# Altium PCB 驱动电路1-0.PcbDoc
Units mil, origin at the board's own origin, x right, y up, seen from the top; angles counter-clockwise.
Board outline 4485 x 2050.55 mil, 2 copper layers (Top Layer, Bottom Layer); 49 components, 38 nets, 139 pads, 88 vias.
Unrouted connection lines stored in the file: 12.
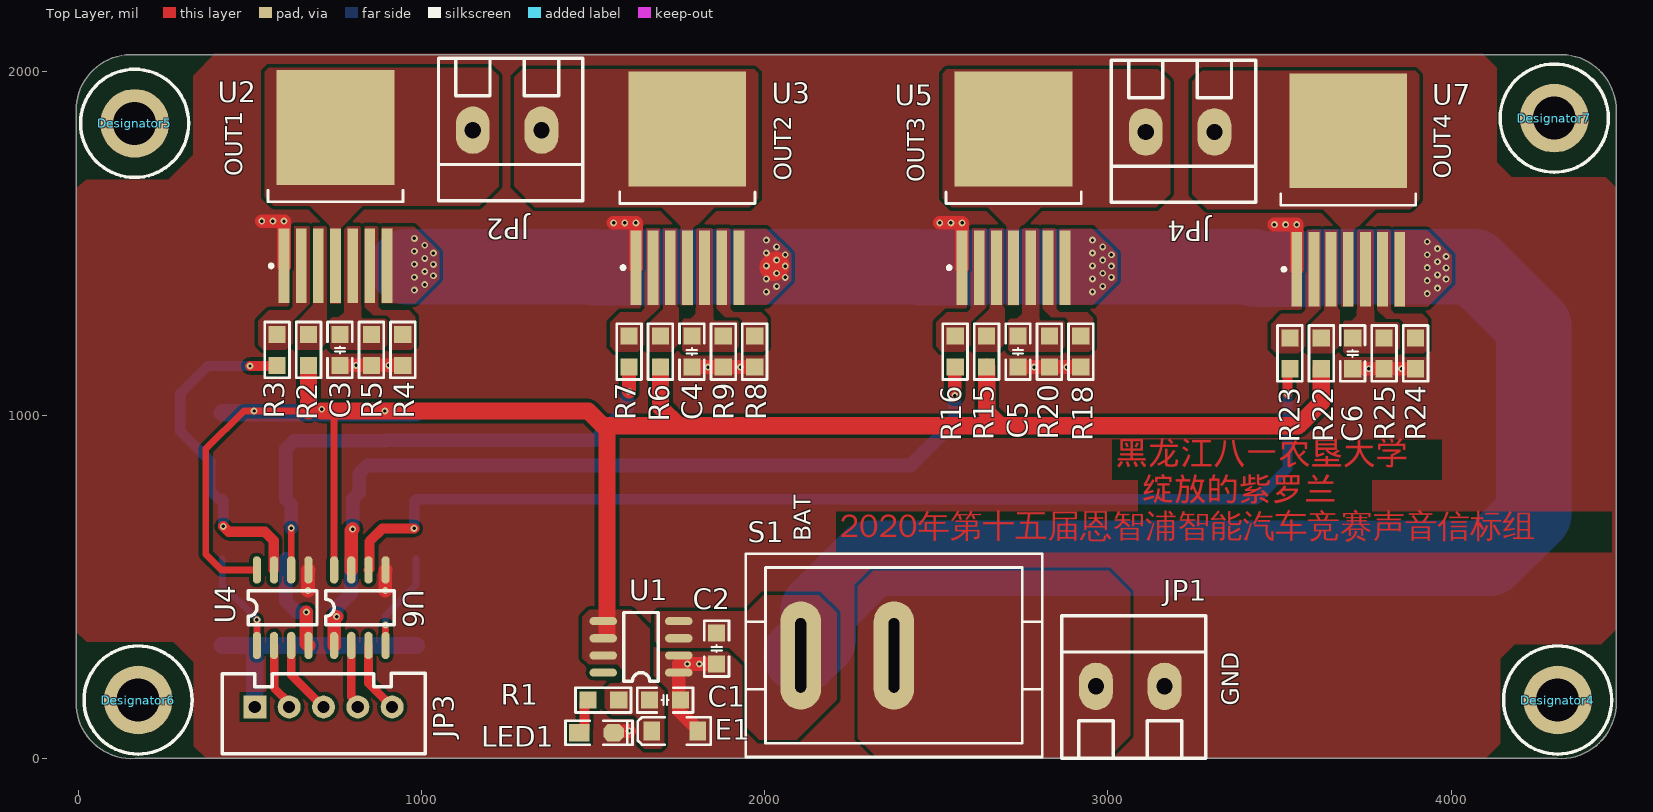
[diagram p0: Top Layer view]
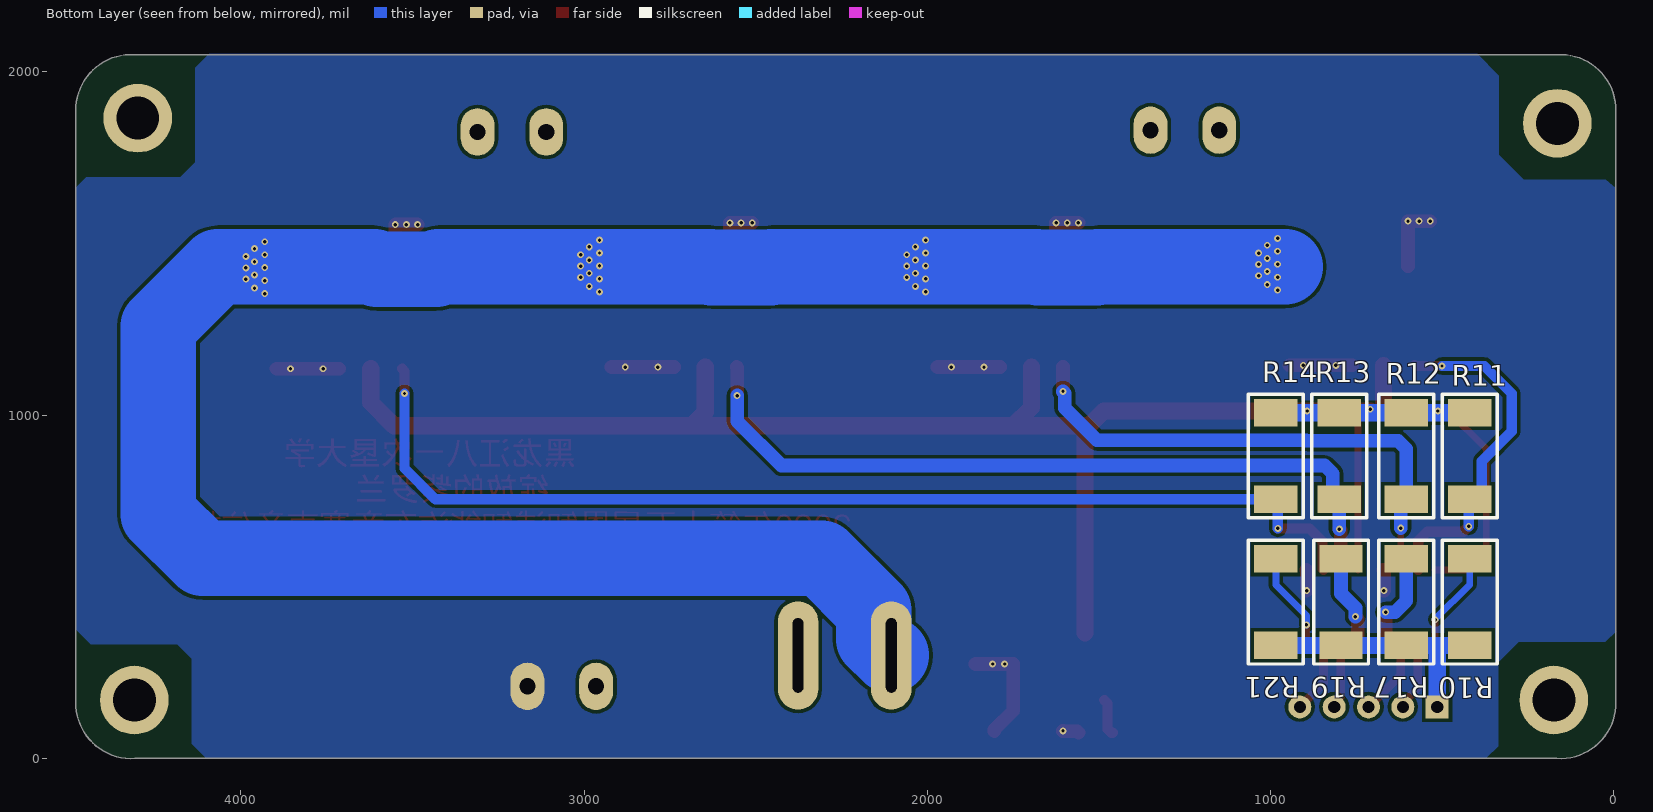
[diagram p1: Bottom Layer view, seen from below]

## Layer stack, top to bottom
Top Solder: solder mask 0.4, Solder Resist, Dk 3.5
Top Layer: signal copper 1.4
Dielectric 1: dielectric 12.6, FR-4, Dk 4.8
Bottom Layer: signal copper 1.4
Bottom Solder: solder mask 0.4, Solder Resist, Dk 3.5

## Board outline
-5,151 -5,1899 cw(c156,1889) 166,2050 4309,2050 cw(c4319,1889) 4480,1899 4480,151 cw(c4319,161) 4309,0 166,0 cw(c156,161)

## Design rules (kind name [scope] priority, off if disabled: settings)
Clearance [All] p1: gap=10 ignorepadtopadclearanceinfootprint=FALSE except(0: Arc-Hole Track-Hole SMDPad-Hole THPad-Hole Via-Hole Fill-Hole Poly-Hole Region-Hole Text-Hole)
PlaneConnect [All] p1: pad.planeconnectstyle=Direct pad.reliefexpansion=20 pad.reliefentries=4 pad.reliefconductorwidth=10 pad.reliefairgap=10 via.planeconnectstyle=Relief via.reliefexpansion=20 via.reliefentries=4 via.reliefconductorwidth=10 via.reliefairgap=10
PolygonConnect [All] p1: connectstyle=Direct reliefconductorwidth=10 reliefentries=4 polygonreliefangle="90 Angle" airgapwidth=10
RoutingVias [All] p1: holewidth=28 width=50 viastyle="Through Hole" minholewidth=28 minwidth=50 maxholewidth=28 maxwidth=50
SolderMaskExpansion [All] p1: expansion=4 istentingtop=FALSE
Width [All] p1: maxlimit=220 minlimit=20 preferedwidth=20
29 further rules are at their usual default settings.

## Classes and differential pairs
component class "Room Definition 4": C6 R22 R23 R24 R25 U7
component class "Room Definition 3": C5 R15 R16 R18 R20 U5
component class "Room Definition 2": C4 R6 R7 R8 R9 U3
component class "Room Definition 1": C3 R2 R3 R4 R5 U2
component class 驱动电路: C1 C2 C3 C4 C5 C6 E1 JP1 JP2 JP3 JP4 LED1 R1 R2 R3 R4 R5 R6 R7 R8 R9 R10 R11 R12 R13 R14 R15 R16 R17 R18 R19 R20 R21 R22 R23 R24 R25 S1 U1 U2 U3 U4 U5 U6 U7

## Components (designator, comment, footprint, x,y, rotation, side; value= is the part's Value field where it differs from the comment)
C1 "104" "C 0805_M" 1710,170 r180 top
C2 "104" "C 0805_M" 1860,320 r90 top
C3 "104" "C 0805_M" 763,1190 r270 top
C4 "104" "C 0805_M" 1788,1185 r270 top
C5 "104" "C 0805_M" 2738,1185 r270 top
C6 "104" "C 0805_M" 3713,1180 r270 top
Designator4 "Comment" M3x10_L 4310,170 r0 top
Designator5 "Comment" M3x10_L 165,1850 r0 top
Designator6 "Comment" M3x10_L 175,170 r0 top
Designator7 "Comment" M3x10_L 4300,1865 r0 top
E1 "10uF/6.3V" "CD A(3216)" 1738.07,80 r0 top
JP1 "HDR-1X2" KF128-5.08-2P 3065,210 r180 top
JP2 "HDR-1X2" KF128-5.08-2P 1250,1830 r180 top
JP3 "HDR-1X5" XH2.54-LI-5P 715,150 r0 top
JP4 "HDR-1X2" KF128-5.08-2P 3210,1825 r180 top
LED1 "红色" "LED 0805R" 1510,75 r0 top
R1 "5K" "R 0805-HP_M" 1530,170 r180 top
R2 "3.3K" "R 0805-HP_M" 671.5,1190 r90 top
R3 "1K" "R 0805-HP_M" 580,1190 r90 top
R4 "3.3K" "R 0805-HP_M" 946,1190 r90 top
R5 "3.3K" "R 0805-HP_M" 854.5,1190 r90 top
R6 "3.3K" "R 0805-HP_M" 1696.5,1185 r90 top
R7 "1K" "R 0805-HP_M" 1605,1185 r90 top
R8 "3.3K" "R 0805-HP_M" 1971,1185 r90 top
R9 "3.3K" "R 0805-HP_M" 1879.5,1185 r90 top
R10 "390" "R 2512_M" 420,455 r270 bottom
R11 "390" "R 2512_M" 420.01,880.98 r90 bottom
R12 "390" "R 2512_M" 605.01,880.98 r90 bottom
R13 "390" "R 2512_M" 800.01,880.98 r90 bottom
R14 "390" "R 2512_M" 985.01,880.98 r90 bottom
R15 "3.3K" "R 0805-HP_M" 2646.5,1185 r90 top
R16 "1K" "R 0805-HP_M" 2555,1185 r90 top
R17 "390" "R 2512_M" 605,455 r270 bottom
R18 "3.3K" "R 0805-HP_M" 2921,1185 r90 top
R19 "390" "R 2512_M" 795,455 r270 bottom
R20 "3.3K" "R 0805-HP_M" 2829.5,1185 r90 top
R21 "390" "R 2512_M" 985,455 r270 bottom
R22 "3.3K" "R 0805-HP_M" 3621.5,1180 r90 top
R23 "1K" "R 0805-HP_M" 3530,1180 r90 top
R24 "3.3K" "R 0805-HP_M" 3896,1180 r90 top
R25 "3.3K" "R 0805-HP_M" 3804.5,1180 r90 top
S1 "KCD1-101" KCD1-101 2376.65,300 r180 top
U1 "TPS7350" SOP8 1749,249 r180 top
U2 "BTN7971" DPAK127P1615X127-8N 750,1665 r90 top
U3 "BTN7971" DPAK127P1615X127-8N 1775,1660 r90 top
U4 "HCPL2630" SOP8 520,330 r90 top
U5 "BTN7971" DPAK127P1615X127-8N 2725,1660 r90 top
U6 "HCPL2630" SOP8 745,330 r90 top
U7 "BTN7971" DPAK127P1615X127-8N 3700,1655 r90 top

## Footprints (in the part's own frame and the unit in brackets; to place one, negate y for a bottom-side part, rotate by r counter-clockwise, add the part's x,y. Pads: shape width x height; smd on the part's side, far side on the other; paste and mask are expansions set on the pad)
"C 0805_M" [mil] "无极性贴片电容"
  rect 50x50 smd: 1(-45,0) 2(45,0)
  silkscreen extent -81,-36 81,36, body extent -39,-24 39,24, height 20
"CD A(3216)" [mm] "长3.2mm，宽1.6mm，厚1.6mm"
  rect 1.2x1.4 smd: 1(-1.7,0) 2(1.7,0)
  silkscreen extent -2.74,-1.02 2.67,1.02, body extent -1.6,-0.8 1.6,0.8, height 1.6
DPAK127P1615X127-8N [mm] "TO, 8-Pads, Body 7.23x8.36mm (max), IPC Medium Density"
  rect 5.5x0.8 smd: 1(-5.85,3.81) 2(-5.85,2.54) 3(-5.85,1.27) 4(-5.85,0) 5(-5.85,-1.27) 6(-5.85,-2.54) 7(-5.85,-3.81)
  rect 8.5x8.7 smd: 8(4.4,0)
  silkscreen extent -5.97,-5 -0.25,5, body extent -1.1,-5 7.15,5, height 1.27
KCD1-101 [mm] "船型开关立式"
  oval 3x8 hole 0.8 slot 5.5 at 90 deg: 1(0,0) 2(6.9,0)
  silkscreen extent -10.97,-7.52 10.97,7.52, body extent -10.95,-7.5 10.95,7.5, height 20.3
KF128-5.08-2P [mm] "螺钉式接线端子，脚距5.08mm"
  oval 2.5x3.5 hole 1.2: 1(-2.54,0) 2(2.54,0)
  silkscreen extent -5.59,-5.21 5.08,5.31, body extent -5.58,-5.3 5.08,5.2, height 14.15
"LED 0805R" [mil] "红色0805LED"
  rect 60x50 smd: 1(-50,0)
  oct 60x50 smd: 2(50,0)
  silkscreen extent -90,-35 105,35, body extent -39,-25 39,25, height 32
M3x10_L [mil] "M3铜柱，长：10mm"
  round 200 hole 125: 1(0,0)
  silkscreen extent -157,-157 157,157, body extent -106,-93 106,93, height 396
"R 0805-HP_M" [mil] "1/8W高精度贴片电阻"
  rect 50x50 smd: 1(-45,0) 2(45,0)
  silkscreen extent -81,-36 81,36, body extent -39,-25 39,25, height 20
"R 2512_M" [mm] "1W贴片电阻"
  rect 2.032x3.2 smd: 1(-3.2,0) 2(3.2,0)
  silkscreen extent -4.57,-2.03 4.57,2.03, body extent -3.2,-1.6 3.2,1.6, height 0.55
SOP8 [mil] "（蒜米工坊）"
  oval 80x24 smd: 1(-1,-1) 2(-1,-51) 3(-1,-101) 4(-1,-151) 5(219,-151) 6(219,-101) 7(219,-51) 8(219,-1)
  silkscreen extent 59,-176 159,24, body extent -4,-174 234,24, height 63
XH2.54-LI-5P [mm] "接插件，5P"
  rect 1.7x1.7 hole 0.9: 1(-5.08,0)
  round 1.7 hole 0.9: 2(-2.54,0) 3(0,0) 4(2.54,0) 5(5.08,0)
  silkscreen extent -7.48,-3.45 7.52,2.49, body extent -7.58,-3.3 7.58,2.4, height 7.03

## Part data
C1 C2 C3 C4 C5 C6: library part C, "无极性贴片电容"
E1: library part C-CD, "贴片钽电容"
JP1 JP2 JP4: library part "Header 2", "2P接插件"
JP3: library part "Header 5", "5P接插件", BOM名称=5P, 学习资源=www.oooc
LED1: library part LED-SMD, "贴片LED", BOM名称=?, 学习资源=www.oooc
R1 R2 R3 R4 R5 R6 R7 R8 R9 R15 R16 R18 R20 R22 R23 R24 R25: library part R-Precision, "精密贴片电阻"
R10 R11 R12 R13 R14 R17 R19 R21: library part R, "贴片电阻"
S1: "1路单刀船型开关"
U1: "稳压"

## Via types
v1: diameter 20, hole 10, Top Layer to Bottom Layer, tented both sides, 88 vias

## Nets (pads, with @x,y where several pads share a name; then routed paths per layer and width w, separated by ;. In a path a pad name is that pad's centre, name@x,y a point inside that pad or via, vN(x,y) a via of type N, cw(c..) or ccw(c..) an arc to the next point about the centre after c; other vN are vias at no path point)
+3.3: JP3.1 R10.2 R17.2 R19.2 R21.2 | length 745.7
  Bottom Layer w50: R10.2 511,329.02 ; JP3.1 515,325.02 511,329.02 ; R21.2 R19.2 R17.2 511,329.02
+5: C1.2 E1.1 R1.1 R2.1 R6.1 R11.2 R12.2 R13.2 R14.2 R15.1 R22.1 U1.5 U1.6 U1.7 U4.8 U6.8 | length 6068.4
  Top Layer w20: U4.8 418,549 372,595 372,901 483,1012 671.5,1012 v1@710,1012 ; U6.8 746,1003 755,1012
  Top Layer w50: 671.5,1012 R2.1 ; v1@710,1012 755,1012 v1(894,1012) 1486,1012 1529,969 ; 1541,365 1541,957 1529,969 ; R6.1 1696.5,1022.5 1750,969 ; R15.1 2647,1139.5 2647,1009 2687,969 ; R22.1 3621.5,1036.5 3554,969 2687,969 ; 1529,969 1750,969 ; 1750,969 2687,969
  Bottom Layer w50: R11.2 R12.2 R13.2 R14.2
  other v1: 513,1012 710,1017
BAT: C2.2 S1.2 U1.3 U1.4 U2.7 U3.7 U5.7 U7.7 | length 6275
  Top Layer w80: 2025,1431 2027,1431 2033,1437
  Bottom Layer w220: 958,1432 1504.15,1432 1506.15,1430 1678.85,1430 1680.85,1432 2454.15,1432 2456.15,1430 2628.85,1430 2630.85,1432 3424.15,1432 3431.15,1425 3603.85,1425 3610.85,1432 4067.13,1432 4240,1259.13 4240,711.87 4111.13,583 2308.01,583 2155.94,430.94 2155.94,347.48 2108.46,300 S1.2
  other v1: 3930,1354 2005,1359 2955,1359 980,1364 3960,1370 2035,1375 2985,1375 1010,1380 3930,1391.75 3985,1396 2005,1396.75 2955,1396.75 2060,1401 3010,1401 980,1401.75 1035,1406 3960,1408.33 2035,1413.33 2985,1413.33 1010,1418.33 3930,1429.5 3985,1429 2060,1434 3010,1434 2005,1434.5 2955,1434.5 980,1439.5 1035,1439 3960,1446.67 2035,1451.67 2985,1451.67 1010,1456.67 3985,1462 2060,1467 3010,1467 3930,1467.25 1035,1472 2005,1472.25 2955,1472.25 980,1477.25 3960,1485 2035,1490 2985,1490 1010,1495 3930,1505 2005,1510 2955,1510 980,1515
GND: C1.1 C2.1 C3.2 C4.2 C5.2 C6.2 E1.2 JP1.1 LED1.2 R4.1 R5.1 R8.1 R9.1 R18.1 R20.1 R24.1 R25.1 U1.1 U1.2 U2.1 U3.1 U4.5 U5.1 U6.5 U7.1 | length 2008.9
  Top Layer w40: v1(535,1565) v1(600,1565) U2.1 ; v1(670,489) 670,548 U4.5 ; C3.2 R5.1 R4.1 ; v1(895,489) 895,548 U6.5 ; LED1.2 1564.22,79.22 1604.22,79.22 v1(1605,80) ; v1(1560,1560) v1(1625,1560) U3.1 ; C4.2 R9.1 R8.1 ; E1.2 1805,83.94 1750,138.94 U1.1 1750,275 C2.1 ; v1(2510,1560) v1(2575,1560) U5.1 ; C5.2 R20.1 R18.1 ; v1(3485,1555) v1(3550,1555) U7.1 ; C6.2 R25.1 R24.1
  other v1: 1775,275 1810,275 3760,1135 3855,1135 1835,1140 1930,1140 2785,1140 2880,1140 810,1145 905,1145 3517.5,1555 1592.5,1560 2542.5,1560 567.5,1565
NetC3_1: C3.1 R5.2 U2.5
NetC4_1: C4.1 R9.2 U3.5
NetC5_1: C5.1 R20.2 U5.5
NetC6_1: C6.1 R25.2 U7.5
NetJP1_2: JP1.2 S1.1
NetLED1_1: LED1.1 R1.2 | length 108.3
  Top Layer w30: LED1.1 1465,75 1475,85 1475,160 R1.2
NetR2_2: R2.2 U2.3
NetR3_2: R3.2 U2.2
NetR4_2: R4.2 U2.6
NetR6_2: R6.2 U3.3
NetR7_2: R7.2 U3.2
NetR8_2: R8.2 U3.6
NetR10_1: R10.1 U4.1 | length 293.8
  Top Layer w20: U4.1 v1(521,404)
  Bottom Layer w20: R10.1 419.99,507.01 521,406 v1(521,404)
NetR15_2: R15.2 U5.3
NetR16_2: R16.2 U5.2
NetR17_1: R17.1 U4.4 | length 295.1
  Top Layer w40: v1(665,426) 665,335 U4.4
  Bottom Layer w40: R17.1 604.99,459.01 638,426 v1(665,426)
NetR18_2: R18.2 U5.6
NetR19_1: R19.1 U6.1 | length 272.3
  Top Layer w40: U6.1 746,406 v1(753,413)
  Bottom Layer w40: v1(753,413) 753,438 794.99,479.99 R19.1
NetR21_1: R21.1 U6.4 | length 288.8
  Top Layer w20: U6.4 v1@896,388
  Bottom Layer w20: v1@896,388 896,416 984.99,504.99 R21.1
  other v1: 896,389
NetR22_2: R22.2 U7.3
NetR23_2: R23.2 U7.2
NetR24_2: R24.2 U7.6
OUT1: JP2.2 U2.4 U2.8
OUT2: JP2.1 U3.4 U3.8
OUT3: JP4.2 U5.4 U5.8
OUT4: JP4.1 U7.4 U7.8
P1: R3.1 R11.1 U4.7 | length 1010.4
  Top Layer w30: v1(423,676) 439,660 544,660 570,634 570,550 U4.7 ; v1(501,1143) 578,1143 R3.1
  Bottom Layer w30: v1(423,676) 423,752.01 R11.1 410,755 385,780 385,866 298,953 298,1063 378,1143 v1(501,1143)
P2: R7.1 R12.1 U4.6 | length 1526.1
  Top Layer w20: v1@620,672 v1(621,671) U4.6
  Top Layer w40: v1(1605,1069) R7.1
  Bottom Layer w40: v1(621,671) 621,739.01 R12.1 605.01,901.57 628.44,925 894,925 896,927 1506,927 1600,1021 1600,1064 v1(1605,1069)
P3: R13.1 R16.1 U6.7 | length 2246.6
  Top Layer w40: U6.7 796,664 v1(800,668) ; v1(2554,1057) 2554,1139 R16.1
  Bottom Layer w40: v1(800,668) R13.1 819,773.99 819,829.57 842.43,853 2425,853 2554,982 v1(2554,1057)
P4: R14.1 R23.1 U6.6 | length 3185.6
  Top Layer w30: U6.6 849,552 849,632 887,670 v1(979,670) ; v1(3523,1063) 3523,1128 R23.1
  Bottom Layer w30: v1(979,670) 979,748.99 R14.1 3433,755 3523,845 v1(3523,1063)
PWM1: JP3.2 U4.2 | length 197.2
  Top Layer w25: U4.2 571,205.35 615,161.35 JP3.2
PWM2: JP3.3 U4.3 | length 218.5
  Top Layer w25: U4.3 621,243 714,150 JP3.3
PWM3: JP3.4 U6.2 | length 186.9
  Top Layer w25: U6.2 796,180.35 815,161.35 JP3.4
PWM4: JP3.5 U6.3 | length 207.6
  Top Layer w25: U6.3 846,219 JP3.5
pads on no net: Designator4.1 Designator5.1 Designator6.1 Designator7.1 U1.8

## Polygon pours and split planes (outlines as drawn)
GND on Top Layer "Top Layer-GND" (solid, remove dead copper, pour order 80): -5,1546 -4,1547 -4,1662 24,1686 263,1686 336,1759 335,1760 335,1989 398,2052 4092,2052 4132,2012 4132,1737 4176,1693 4450,1693 4480,1663 4480,376 4437,333 4185,333 4143,291 4143,43 4100,0 373,0 337,36 337,280 277,340 25,340 -6,371 -5,372
NetR4_2 on Top Layer "Top Layer-NetR4_2" (solid, remove dead copper, pour order 14): 835,1550 870,1550 875,1545 875,1315 885,1305 965.01,1305 980.01,1290 982,1287 982,1201.41 970.59,1190 915,1190 910,1195 910,1280 900,1290 860,1290 835,1315
BAT on Top Layer "Top Layer-BAT" (solid, remove dead copper, pour order 78): 3834,1538 3930,1538 4002,1466 4002,1386 3932,1316 3833,1316 3833,1537
BAT on Top Layer "Top Layer-BAT 1" (solid, remove dead copper, pour order 76): 2859,1543 2955,1543 3027,1471 3027,1391 2957,1321 2858,1321 2858,1542
BAT on Top Layer "Top Layer-BAT 2" (solid, remove dead copper, pour order 74): 1909,1543 2005,1543 2077,1471 2077,1391 2007,1321 1908,1321 1908,1542
no net on Top Layer "Top Layer-No Net" (solid, remove dead copper, pour order 72): 2104,356
BAT on Top Layer "Top Layer-BAT 3" (solid, remove dead copper, pour order 70): 884,1548 980,1548 1052,1476 1052,1396 982,1326 883,1326 883,1547
+5 on Top Layer "Top Layer-+5" (solid, remove dead copper, pour order 66): 1489,433 1611,433 1666,378 1666,237 1707,196 1707,38 1697,28 1650,28 1635,43 1635,111 1620,126 1556,126 1534,148 1534,202 1551,219 1553,219 1578,219 1588,229 1587,230 1587,257 1570,274 1487,274 1469,292 1469,413
BAT on Top Layer "Top Layer-BAT 4" (solid, remove dead copper, pour order 64): 1949,429 1996,476 2158,476 2210,424 2210,171 2093,54 1984,54 1946,92 1946,274 1897,323 1698,323 1680,341 1680,418 1691,429
NetJP1_2 on Top Layer "Top Layer-NetJP1_2" (solid, remove dead copper, pour order 62): 2316,547 3002,547 3065,484 3065,66 2997,-2 2994,1 2329,1 2271,59 2271,502
OUT4 on Top Layer "Top Layer-OUT4" (solid, remove dead copper, pour order 60): 3556,2003 3275,2003 3245,1973 3245,1644 3289,1600 3572.5,1600 3572.5,1985.94 3556,2002.44
OUT3 on Top Layer "Top Layer-OUT3" (solid, remove dead copper, pour order 58): 3145.56,2007.44 3181,1972 3181,1645 3141,1605 2870,1605 2870,1957.44 2820,2007.44
OUT2 on Top Layer "Top Layer-OUT2" (solid, remove dead copper, pour order 56): 1584,2007.44 1293.44,2007.44 1270,1984 1270,1666 1331,1605 1599,1605 1599,1994 1586,2007
no net on Top Layer "Top Layer-No Net 1" (solid, remove dead copper, pour order 54): 1580.75,2007.44
no net on Top Layer "Top Layer-No Net 2" (solid, remove dead copper, pour order 52): 1273,2012
OUT1 on Top Layer "Top Layer-OUT1" (solid, remove dead copper, pour order 48): 895.44,2012 1201,2012 1225,1988 1225,1666 1169,1610 930,1610 930,1977.44
no net on Top Layer "Top Layer-No Net 3" (solid, remove dead copper, pour order 46): 915,2012.44
NetR23_2 on Top Layer "Top Layer-NetR23_2" (solid, remove dead copper, pour order 44): 3580,1540 3621.5,1540 3625,1536.5 3625,1315 3575,1265 3575,1200 3555,1180 3490,1180 3475,1195 3475,1265 3505,1295 3565,1295 3575,1305 3575,1535
NetR22_2 on Top Layer "Top Layer-NetR22_2" (solid, remove dead copper, pour order 42): 3630,1540 3670,1540 3675,1535 3675,1202.5 3652.5,1180 3590.5,1180 3585.5,1185 3585.5,1260.5 3630,1305
OUT4 on Top Layer "Top Layer-OUT4 1" (solid, remove dead copper, pour order 40): 3680,1315 3715,1315 3715,1534.99 3780.01,1600 3880,1600 3906.69,1626.69 3906.69,1990.75 3895,2002.44 3505.75,2002.44 3493.31,1990 3493.31,1626.69 3520,1600 3625,1600 3680,1545
NetC6_1 on Top Layer "Top Layer-NetC6_1" (solid, remove dead copper, pour order 38): 3730.01,1540 3770,1540 3775,1535 3775,1275 3780,1270 3845,1270 3850,1265 3850,1194.5 3835.5,1180 3690,1180 3685,1185 3685,1270 3690,1275 3710,1275 3725,1290 3725,1534.99
NetR24_2 on Top Layer "Top Layer-NetR24_2" (solid, remove dead copper, pour order 36): 3785,1540 3820,1540 3825,1535 3825,1305 3835,1295 3915.01,1295 3930.01,1280 3932,1277 3932,1191.41 3920.59,1180 3865,1180 3860,1185 3860,1270 3850,1280 3810,1280 3785,1305
NetR16_2 on Top Layer "Top Layer-NetR16_2" (solid, remove dead copper, pour order 34): 2605,1545 2646.5,1545 2650,1541.5 2650,1320 2600,1270 2600,1205 2580,1185 2515,1185 2500,1200 2500,1270 2530,1300 2590,1300 2600,1310 2600,1540
NetR15_2 on Top Layer "Top Layer-NetR15_2" (solid, remove dead copper, pour order 32): 2655,1545 2695,1545 2700,1540 2700,1207.5 2677.5,1185 2615.5,1185 2610.5,1190 2610.5,1265.5 2655,1310
OUT3 on Top Layer "Top Layer-OUT3 1" (solid, remove dead copper, pour order 30): 2705,1320 2740,1320 2740,1539.99 2805.01,1605 2905,1605 2931.69,1631.69 2931.69,1995.75 2920,2007.44 2530.75,2007.44 2518.31,1995 2518.31,1631.69 2545,1605 2650,1605 2705,1550
NetC5_1 on Top Layer "Top Layer-NetC5_1" (solid, remove dead copper, pour order 28): 2755.01,1545 2795,1545 2800,1540 2800,1280 2805,1275 2870,1275 2875,1270 2875,1199.5 2860.5,1185 2715,1185 2710,1190 2710,1275 2715,1280 2735,1280 2750,1295 2750,1539.99
NetR18_2 on Top Layer "Top Layer-NetR18_2" (solid, remove dead copper, pour order 26): 2810,1545 2845,1545 2850,1540 2850,1310 2860,1300 2940.01,1300 2955.01,1285 2957,1282 2957,1196.41 2945.59,1185 2890,1185 2885,1190 2885,1275 2875,1285 2835,1285 2810,1310
NetR7_2 on Top Layer "Top Layer-NetR7_2" (solid, remove dead copper, pour order 24): 1655,1545 1696.5,1545 1700,1541.5 1700,1320 1650,1270 1650,1205 1630,1185 1565,1185 1550,1200 1550,1270 1580,1300 1640,1300 1650,1310 1650,1540
NetR6_2 on Top Layer "Top Layer-NetR6_2" (solid, remove dead copper, pour order 22): 1705,1545 1745,1545 1750,1540 1750,1207.5 1727.5,1185 1665.5,1185 1660.5,1190 1660.5,1265.5 1705,1310
OUT2 on Top Layer "Top Layer-OUT2 1" (solid, remove dead copper, pour order 20): 1755,1320 1790,1320 1790,1539.99 1855.01,1605 1955,1605 1981.69,1631.69 1981.69,1995.75 1970,2007.44 1580.75,2007.44 1568.31,1995 1568.31,1631.69 1595,1605 1700,1605 1755,1550
NetC4_1 on Top Layer "Top Layer-NetC4_1" (solid, remove dead copper, pour order 18): 1805.01,1545 1845,1545 1850,1540 1850,1280 1855,1275 1920,1275 1925,1270 1925,1199.5 1910.5,1185 1765,1185 1760,1190 1760,1275 1765,1280 1785,1280 1800,1295 1800,1539.99
NetR8_2 on Top Layer "Top Layer-NetR8_2" (solid, remove dead copper, pour order 16): 1860,1545 1895,1545 1900,1540 1900,1310 1910,1300 1990.01,1300 2005.01,1285 2007,1282 2007,1196.41 1995.59,1185 1940,1185 1935,1190 1935,1275 1925,1285 1885,1285 1860,1310
NetC3_1 on Top Layer "Top Layer-NetC3_1" (solid, remove dead copper, pour order 12): 780.01,1550 820,1550 825,1545 825,1285 830,1280 895,1280 900,1275 900,1204.5 885.5,1190 740,1190 735,1195 735,1280 740,1285 760,1285 775,1300 775,1544.99
OUT1 on Top Layer "Top Layer-OUT1 1" (solid, remove dead copper, pour order 10): 730,1325 765,1325 765,1544.99 830.01,1610 930,1610 956.69,1636.69 956.69,2000.75 945,2012.44 555.75,2012.44 543.31,2000 543.31,1636.69 570,1610 675,1610 730,1555
NetR2_2 on Top Layer "Top Layer-NetR2_2" (solid, remove dead copper, pour order 8): 680,1550 720,1550 725,1545 725,1212.5 702.5,1190 640.5,1190 635.5,1195 635.5,1270.5 680,1315
NetR3_2 on Top Layer "Top Layer-NetR3_2" (solid, remove dead copper, pour order 6): 630,1550 671.5,1550 675,1546.5 675,1325 625,1275 625,1210 605,1190 540,1190 525,1205 525,1275 555,1305 615,1305 625,1315 625,1545
GND on Bottom Layer "Bottom Layer-GND" (solid, remove dead copper, pour order 82): -5,1546 -4,1547 -4,1662 24,1686 263,1686 336,1759 335,1760 335,1989 398,2052 4092,2052 4132,2012 4132,1737 4176,1693 4450,1693 4480,1663 4480,376 4437,333 4185,333 4143,291 4143,43 4100,0 373,0 337,36 337,280 277,340 25,340 -6,371 -5,372

## Other copper
Top Layer:
  text "黑龙江八一农垦大学" at 3023,832 h118.11
  text "绽放的紫罗兰" at 3099,727 h118.11
  text "2020年第十五届恩智浦智能汽车竞赛声音信标组" at 2219,621 h118.11

## Silkscreen, mask and mechanical layers (free items; w line width, h text height)
Top Overlay:
  text "OUT1" at 478,1696 h50 r90
  text "OUT4" at 3998,1689 h50 r90
  text "OUT2" at 2078,1683 h50 r90
  text "OUT3" at 2465,1678 h50 r90
  text "BAT" at 2134,632 h50 r90
  text "GND" at 3381,154 h50 r90
Mechanical 1:
  the board outline again, w5